# KiCad board Leonhart.kicad_pcb
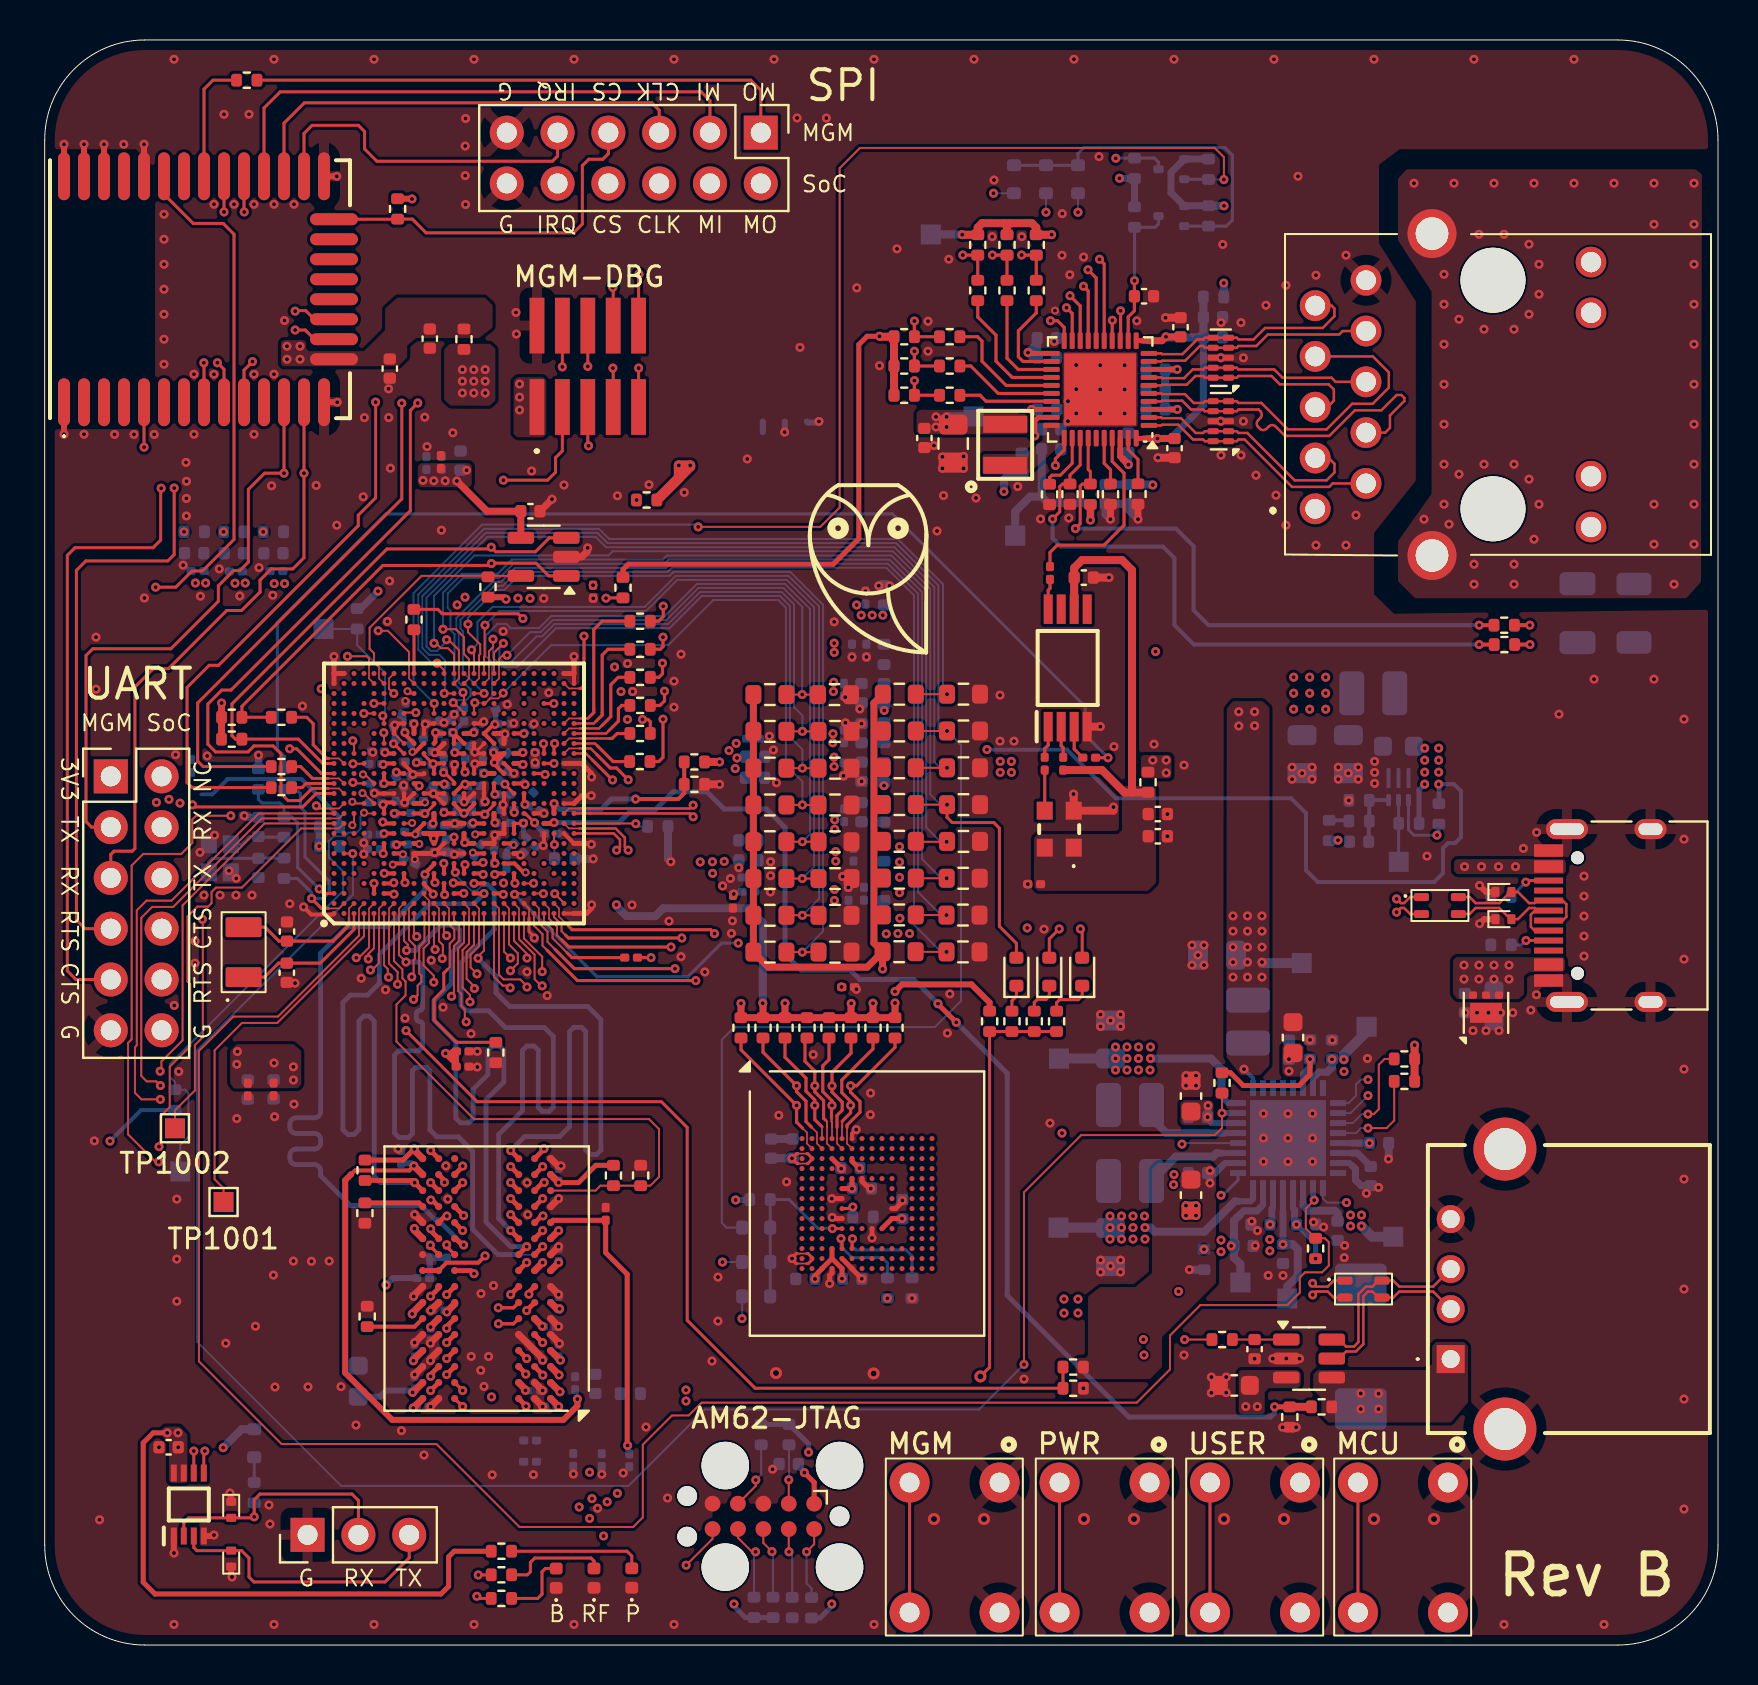
[diagram p0: board, top side]
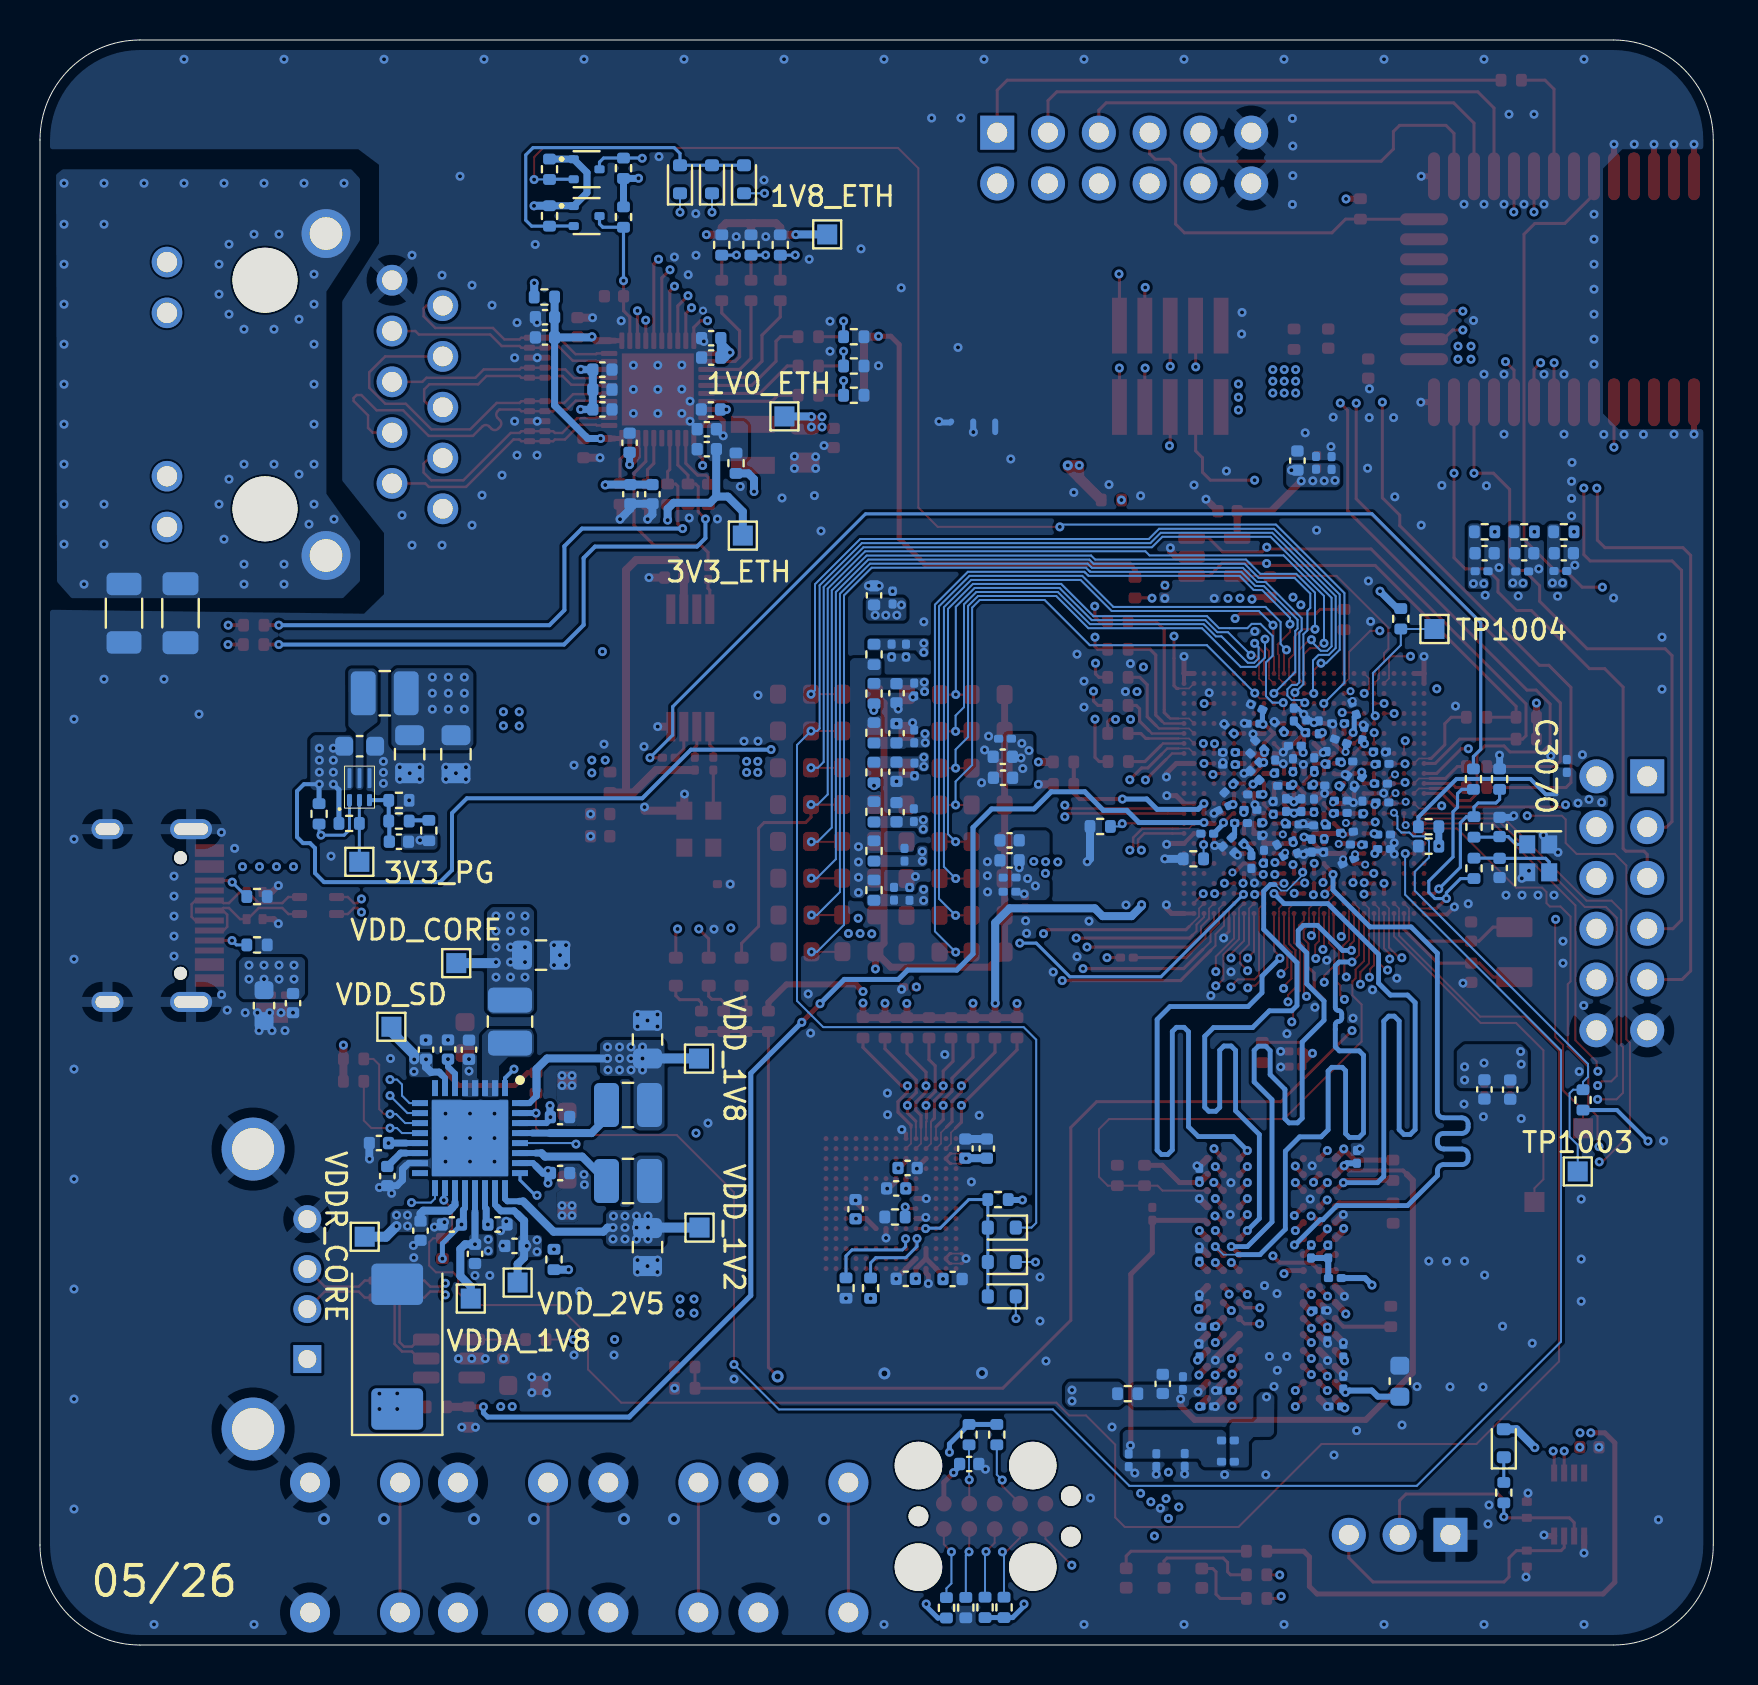
[diagram p1: board, bottom side, seen from below]

Outline 83.66 x 80.26 mm; copper layers: Top, In1.Cu (plane), In2.Cu, In3.Cu (plane), In4.Cu (plane), In5.Cu, In6.Cu (plane), Bottom. Coordinates in mm from the lower left corner of the outline.
Outline path: 0,5 0,75.26 arc(1.46,78.8) 5,80.26 78.66,80.26 arc(82.2,78.8) 83.66,75.26 83.66,5 arc(82.2,1.46) 78.66,0 5,0 arc(1.46,1.46) 0,5
Stack: Top 0.035mm / dielectric 0.0994mm FR4 er 3.8 / In1.Cu 0.0152mm / dielectric 0.13mm FR4 er 3.8 / In2.Cu 0.0152mm / dielectric 0.1088mm FR4 er 3.8 / In3.Cu 0.0152mm / dielectric 0.13mm FR4 er 3.8 / In4.Cu 0.0152mm / dielectric 0.1088mm FR4 er 3.8 / In5.Cu 0.0152mm / dielectric 0.13mm FR4 er 3.8 / In6.Cu 0.0152mm / dielectric 0.0994mm FR4 er 3.8 / Bottom 0.035mm

## Placement (name value [footprint] x y rotation side)
1V0_ETH  TestPoint  [TestPoint_Pad_1.0x1.0mm]  46.44 61.44 180 bottom
1V8_ETH  TestPoint  [TestPoint_Pad_1.0x1.0mm]  44.3 70.54 180 bottom
3V3_ETH  TestPoint  [TestPoint_Pad_1.0x1.0mm]  48.52 55.48 180 bottom
3V3_PG  TestPoint  [TestPoint_Pad_1.0x1.0mm]  67.7 39.17 0 bottom
C1001  0.01u  [C_0201_0603Metric]  49.47 38.05 180 top
C1002  1u  [C_0402_1005Metric]  55.65 40.45 0 top
C1003  0.1u  [C_0402_1005Metric]  51.95 53.38 0 top
C1004  0.1u  [C_0402_1005Metric]  55.65 41.56 0 top
C1005  18p  [C_0402_1005Metric]  10.68 38.86 270 bottom
C1006  18p  [C_0402_1005Metric]  10.68 40.91 90 bottom
C1007  20p  [C_0402_1005Metric]  12.1 33.62 270 top
C1008  20p  [C_0402_1005Metric]  12.11 35.68 90 top
C1009  0.1u  [C_0402_1005Metric]  37.2 9.05 180 bottom
C1010  0.1u  [C_0402_1005Metric]  24.28 56.7 0 top
C1011  0.1u  [C_0402_1005Metric]  6.19 9.89 180 top
C2001  1u  [C_0402_1005Metric]  19.25 65.33 270 top
C2002  0.1u  [C_0402_1005Metric]  17.25 63.83 270 top
C3001  10u  [C_0603_1608Metric]  62.41 30.38 90 top
C3002  0.1u  [C_0402_1005Metric]  62.21 29.77 90 bottom
C3003  47u  [C_0805_2012Metric]  58.61 34.5 180 bottom
C3004  10u  [C_0603_1608Metric]  57.31 27.45 90 top
C3005  0.1u  [C_0402_1005Metric]  57.66 26.4 180 bottom
C3006  47u  [C_0805_2012Metric]  53.29 30.28 90 bottom
C3007  10u  [C_0603_1608Metric]  57.31 22.5 270 top
C3008  0.1u  [C_0402_1005Metric]  57.66 23.6 180 bottom
C3009  47u  [C_0805_2012Metric]  53.29 19.9 270 bottom
C3010  2.2u  [C_0402_1005Metric]  63.26 29.78 90 bottom
C3011  2.2u  [C_0402_1005Metric]  63.07 21.03 0 bottom
C3012  4.7u  [C_0402_1005Metric]  60.79 21.03 180 bottom
C3013  2.2u  [C_0402_1005Metric]  64.36 29.78 90 bottom
C3014  2.2u  [C_0402_1005Metric]  64.64 20.72 270 bottom
C3015  2.2u  [C_0402_1005Metric]  61.91 19.56 270 bottom
C3016  2.2u  [C_0402_1005Metric]  59.94 19.96 0 bottom
C3017  2.2u  [C_0402_1005Metric]  66.72 25.1 0 bottom
C3018  2.2u  [C_0402_1005Metric]  66.3 23.45 270 bottom
C3019  10u  [C_0603_1608Metric]  67.68 44.95 180 bottom
C3020  120p  [C_0402_1005Metric]  65.72 40.17 180 bottom
C3021  22u  [C_0805_2012Metric]  62.87 44.55 270 bottom
C3022  22u  [C_0805_2012Metric]  65.18 44.55 270 bottom
C3023  1u  [0201_Cap_Leonhart#4]  17.7 43.12 305 bottom
C3024  1u  [0201_Cap_Leonhart]  18.64 45.15 20 bottom
C3025  1u  [0201_Cap_Leonhart]  24.21 44.59 0 bottom
C3026  1u  [0201_Cap_Leonhart]  21.73 45.88 45 bottom
C3027  1u  [0201_Cap_Leonhart]  22.51 39.43 90 bottom
C3028  1u  [0201_Cap_Leonhart]  17.54 45.59 100 bottom
C3029  1u  [0201_Cap_Leonhart]  18.75 46.05 0 bottom
C3030  1u  [0201_Cap_Leonhart#4]  17.59 41.89 90 bottom
C3031  1u  [0201_Cap_Leonhart]  16.46 40.58 180 bottom
C3032  10u  [C_0402_1005Metric]  35.18 40.24 0 bottom
C3033  4.7u  [C_0402_1005Metric]  35.18 39.24 0 bottom
C3034  1u  [0201_Cap_Leonhart]  35.18 38.33 0 bottom
C3035  0.1u  [0201_Cap_Leonhart]  20.92 44.93 0 bottom
C3036  0.1u  [0201_Cap_Leonhart]  20.01 41.98 90 bottom
C3037  0.1u  [0201_Cap_Leonhart]  22.03 41.87 90 bottom
C3038  0.1u  [0201_Cap_Leonhart]  21.46 42.92 0 bottom
C3039  0.1u  [0201_Cap_Leonhart]  23.68 39.83 315 bottom
C3040  0.1u  [0201_Cap_Leonhart]  19.38 44.37 90 bottom
C3041  0.1u  [0201_Cap_Leonhart#4]  18.51 43.24 125 bottom
C3042  0.1u  [0201_Cap_Leonhart]  20.02 39.97 270 bottom
C3043  0.1u  [0201_Cap_Leonhart]  22.95 44.32 45 bottom
C3044  0.1u  [0201_Cap_Leonhart#4]  17.82 39.98 0 bottom
C3045  0.1u  [0201_Cap_Leonhart]  18.62 41.66 180 bottom
C3046  0.1u  [0201_Cap_Leonhart]  22.71 44.98 45 bottom
C3047  0.1u  [0201_Cap_Leonhart]  23.04 39.16 270 bottom
C3048  0.1u  [0201_Cap_Leonhart]  34.46 37.17 270 top
C3049  0.1u  [0201_Cap_Leonhart]  35.18 37.62 0 bottom
C3051  10u  [C_0402_1005Metric]  35.51 43.37 0 bottom
C3052  4.7u  [C_0402_1005Metric]  35.52 44.42 0 bottom
C3053  0.1u  [0201_Cap_Leonhart]  20.64 42 90 bottom
C3054  0.1u  [0201_Cap_Leonhart]  21.41 42.01 90 bottom
C3055  0.1u  [0201_Cap_Leonhart]  21.03 41.09 180 bottom
C3056  0.1u  [0201_Cap_Leonhart]  21.06 44.01 90 bottom
C3057  0.1u  [0201_Cap_Leonhart]  20 44.05 90 bottom
C3058  0.1u  [0201_Cap_Leonhart]  22.96 42.48 0 bottom
C3059  0.1u  [0201_Cap_Leonhart]  18.62 42.28 180 bottom
C3060  0.1u  [0201_Cap_Leonhart#4]  18.35 44.23 180 bottom
C3061  4.7u  [C_0402_1005Metric]  41.96 52.49 90 bottom
C3062  1u  [0201_Cap_Leonhart]  41.08 52.38 90 bottom
C3063  0.1u  [0201_Cap_Leonhart#3]  21.7 39.72 60 bottom
C3064  0.1u  [0201_Cap_Leonhart]  24.21 43.98 0 bottom
C3065  0.1u  [0201_Cap_Leonhart]  16.54 42.19 180 bottom
C3066  0.1u  [0201_Cap_Leonhart]  18 46.81 70 bottom
C3067  0.1u  [0201_Cap_Leonhart#3]  22.85 46.87 25 bottom
C3068  0.1u  [0201_Cap_Leonhart]  22.99 46.03 0 bottom
C3069  0.1u  [0201_Cap_Leonhart]  24.24 45.78 45 bottom
C3070  1u  [C_0201_0603Metric]  7.32 43.96 90 bottom
C3071  0.1u  [0201_Cap_Leonhart]  20.4 45.95 90 bottom
C3072  0.1u  [0201_Cap_Leonhart]  21.02 46.53 90 bottom
C3073  4.7u  [C_0402_1005Metric]  20.79 59.23 90 bottom
C3074  1u  [0201_Cap_Leonhart#2]  19.91 59.12 90 bottom
C3075  0.1u  [0201_Cap_Leonhart#3]  18.32 40.7 175 bottom
C3076  0.1u  [0201_Cap_Leonhart]  16.61 43.12 180 bottom
C3077  0.1u  [0201_Cap_Leonhart]  19.77 45.89 90 bottom
C3078  0.1u  [0201_Cap_Leonhart]  24.46 41.81 335 bottom
C3079  0.1u  [0201_Cap_Leonhart]  27.47 52.68 270 top
C3080  0.1u  [0201_Cap_Leonhart]  19.13 59.11 90 bottom
C3081  0.1u  [0201_Cap_Leonhart]  19.75 59.16 90 top
C3082  10u  [C_0402_1005Metric]  11.44 27.79 270 bottom
C3083  4.7u  [C_0402_1005Metric]  10.15 27.78 270 bottom
C3084  1u  [0201_Cap_Leonhart]  20.9 29.73 0 top
C3085  0.1u  [0201_Cap_Leonhart]  20.86 39.91 250 bottom
C3086  0.1u  [0201_Cap_Leonhart]  19.4 39.98 270 bottom
C3087  0.1u  [0201_Cap_Leonhart]  11.49 27.79 270 top
C3088  0.1u  [0201_Cap_Leonhart]  20.89 28.98 0 top
C3089  0.1u  [0201_Cap_Leonhart]  10.2 27.78 270 top
C3090  4.7u  [C_0402_1005Metric]  40.84 45.59 90 bottom
C3091  0.1u  [0201_Cap_Leonhart]  40 45.44 90 bottom
C3092  0.01u  [0201_Cap_Leonhart]  24.17 42.83 315 bottom
C3093  1u  [0201_Cap_Leonhart]  41.01 37.57 90 bottom
C3094  0.1u  [0201_Cap_Leonhart]  40.24 37.56 90 bottom
C3095  0.01u  [0201_Cap_Leonhart]  22.55 40.8 270 bottom
C3096  4.7u  [C_0402_1005Metric]  40.84 43.67 270 bottom
C3097  0.1u  [0201_Cap_Leonhart]  39.89 43.79 270 bottom
C3098  0.01u  [0201_Cap_Leonhart]  23.14 41.81 180 bottom
C3099  4.7u  [C_0402_1005Metric]  40.84 41.65 90 bottom
C3100  0.1u  [0201_Cap_Leonhart]  40.02 41.5 90 bottom
C3101  0.01u  [0201_Cap_Leonhart]  25.3 40.53 0 bottom
C3102  1u  [0201_Cap_Leonhart]  41.03 49.73 270 bottom
C3103  0.1u  [0201_Cap_Leonhart]  40.31 49.73 270 bottom
C3104  0.01u  [0201_Cap_Leonhart]  21.95 43.94 90 bottom
C3105  4.7u  [C_0402_1005Metric]  40.84 47.6 270 bottom
C3106  0.1u  [0201_Cap_Leonhart]  39.9 47.78 270 bottom
C3107  0.01u  [0201_Cap_Leonhart]  22.96 43.46 45 bottom
C3108  1u  [C_0402_1005Metric]  7.47 54.6 180 bottom
C3109  0.1u  [0201_Cap_Leonhart]  7.64 53.76 180 bottom
C3110  0.01u  [0201_Cap_Leonhart]  19.66 40.94 0 bottom
C3111  1u  [C_0402_1005Metric]  11.43 54.6 180 bottom
C3112  0.1u  [0201_Cap_Leonhart]  11.58 53.75 180 bottom
C3113  0.01u  [0201_Cap_Leonhart]  19.75 43.03 180 bottom
C3114  4.7u  [C_0402_1005Metric]  9.45 54.6 180 bottom
C3115  0.1u  [0201_Cap_Leonhart]  9.55 53.74 180 bottom
C3116  0.01u  [0201_Cap_Leonhart]  16.46 39.86 180 bottom
C3117  1u  [0201_Cap_Leonhart]  40.49 39.52 90 bottom
C3118  0.1u  [0201_Cap_Leonhart]  24.27 40.12 315 bottom
C3119  0.01u  [0201_Cap_Leonhart]  23.61 41.16 180 bottom
C3120  0.1u  [0201_Cap_Leonhart#3]  18.22 39.15 335 bottom
C3121  0.1u  [0201_Cap_Leonhart]  40.17 32.95 0 top
C3122  0.1u  [0201_Cap_Leonhart]  16.53 44.12 180 bottom
C3123  0.1u  [0201_Cap_Leonhart]  16.66 44.73 180 bottom
C3124  1u  [0201_Cap_Leonhart]  35.41 45.27 0 bottom
C4001  2.2u  [C_0402_1005Metric]  27.53 13.06 90 bottom
C4002  0.1u  [0201_Cap_Leonhart]  26.57 13.1 90 bottom
C4003  0.1u  [0201_Cap_Leonhart]  17.87 24.41 90 bottom
C4004  0.01u  [0201_Cap_Leonhart]  18.92 18.3 0 bottom
C4005  22u  [C_0603_1608Metric]  15.67 13.2 90 bottom
C4006  0.01u  [0201_Cap_Leonhart]  25.75 23.52 90 bottom
C4007  0.01u  [0201_Cap_Leonhart]  25.75 19.51 90 bottom
C4008  0.01u  [0201_Cap_Leonhart]  25.75 17.12 90 bottom
C4009  0.01u  [0201_Cap_Leonhart]  25.26 15.87 0 bottom
C4010  0.01u  [0201_Cap_Leonhart]  25.74 14.73 90 bottom
C4011  0.01u  [0201_Cap_Leonhart]  24.48 12.67 0 bottom
C4012  0.01u  [0201_Cap_Leonhart]  25.3 11.98 180 bottom
C4013  0.01u  [0201_Cap_Leonhart]  18.9 11.88 0 bottom
C4014  0.01u  [0201_Cap_Leonhart]  18.55 13.12 90 bottom
C4015  0.01u  [0201_Cap_Leonhart]  18.55 14.72 90 bottom
C4016  0.01u  [0201_Cap_Leonhart]  19.25 15.53 270 bottom
C4017  0.01u  [0201_Cap_Leonhart]  19.7 16.78 180 bottom
C4018  0.1u  [0201_Cap_Leonhart]  24.27 10.28 180 bottom
C4019  0.1u  [0201_Cap_Leonhart]  28 21.56 90 top
C4020  0.1u  [0201_Cap_Leonhart]  29.18 9.24 270 bottom
C4021  0.1u  [0201_Cap_Leonhart]  27.8 9.25 270 bottom
C5001  0.1u  [C_0402_1005Metric]  56.79 65.9 90 top
C5002  0.1u  [C_0402_1005Metric]  56.49 59.86 270 top
C5003  4.7u  [C_0402_1005Metric]  58.41 66.4 0 bottom
C5004  0.1u  [C_0402_1005Metric]  58.41 65.39 0 bottom
C5005  1u  [C_0402_1005Metric]  50.1 65.35 0 bottom
C5006  1u  [C_0402_1005Metric]  55.54 62.78 180 bottom
C5007  0.1u  [C_0402_1005Metric]  54.18 60.12 90 bottom
C5008  0.1u  [C_0402_1005Metric]  50.1 64.38 0 bottom
C5009  0.1u  [C_0402_1005Metric]  55.54 61.79 180 bottom
C5010  0.1u  [C_0402_1005Metric]  55.54 63.78 180 bottom
C5013  0.1u  [C_0402_1005Metric]  54.14 57.55 270 bottom
C5014  4.7u  [C_0402_1005Metric]  53.04 57.55 270 bottom
C5015  0.1u  [C_0402_1005Metric]  50.12 61.79 0 bottom
C5016  4.7u  [C_0402_1005Metric]  50.32 59.8 0 bottom
C5017  0.1u  [C_0402_1005Metric]  50.32 60.8 0 bottom
C5018  4.7u  [C_0805_2012Metric]  45.42 60.08 270 top
C5019  0.1u  [C_0402_1005Metric]  43.98 60.36 270 top
C5020  0.1u  [C_0402_1005Metric]  54.96 67.45 0 top
C5021  1n  [C_1206_3216Metric]  76.64 51.6 270 bottom
C6001  4.7u  [C_0402_1005Metric]  40.85 22.84 0 bottom
C6002  0.22u  [C_0402_1005Metric]  42.88 21.8 90 bottom
C6003  0.1u  [C_0402_1005Metric]  40.37 18.31 0 bottom
C6004  1u  [C_0402_1005Metric]  40.28 23.86 180 bottom
C6005  4.7u  [C_0402_1005Metric]  38.03 18.31 180 bottom
C6006  10u  [C_0603_1608Metric]  72.46 31.98 270 bottom
C6007  0.1u  [C_0402_1005Metric]  71.01 32.1 270 bottom
C6008  0.1u  [C_0402_1005Metric]  37.39 24.83 90 bottom
C6009  2.2u  [C_0402_1005Metric]  36.32 24.83 90 bottom
C6010  10u  [C_0603_1608Metric]  59.48 12.98 180 top
C6011  0.1u  [C_0402_1005Metric]  60.49 14.8 270 top
C6012  150u  [CP_EIA-7343-31_Kemet-D]  65.8 14.92 90 bottom
D1001  D  [D_SOD-523]  48.58 33.67 90 top
D1002  D  [D_SOD-523]  50.23 33.67 90 top
D1003  D  [D_SOD-523]  51.87 33.67 90 top
D1004  D  [D_SOD-523]  10.47 10.09 90 bottom
D1005  D_TVS  [TPD1E1B04DPYR]  9.32 4.32 90 top
D1006  D_TVS  [TPD1E1B04DPYR]  9.32 6.76 270 top
D5001  D  [D_SOD-523]  51.66 73.3 90 bottom
D5002  D  [D_SOD-523]  48.46 73.3 90 bottom
D5003  D  [D_SOD-523]  50.06 73.3 90 bottom
D6001  D_TVS  [TPD1E1B04DPYR]  72.93 37.66 0 top
D6002  D_TVS  [TPD1E1B04DPYR]  72.93 36.3 0 top
D6003  D  [D_SOD-523]  35.57 20.88 0 bottom
D6004  D  [D_SOD-523]  35.57 19.16 0 bottom
D6005  D  [D_SOD-523]  35.57 17.44 0 bottom
D7001  Red  [LED_0402_1005Metric]  29.35 3.35 90 top
D7002  Green  [LED_0402_1005Metric]  27.46 3.34 90 top
D7003  Blue  [LED_0402_1005Metric]  25.57 3.34 90 top
FB1001  120R  [R_0402_1005Metric]  55.16 43.15 270 top
FB2001  120R  [R_0402_1005Metric]  20.96 65.3 90 top
FB3001  120R  [R_0402_1005Metric]  41.96 45.62 270 bottom
FB3002  120R  [R_0402_1005Metric]  41.96 37.75 270 bottom
FB3003  120R  [R_0402_1005Metric]  41.96 43.64 90 bottom
FB3004  120R  [R_0402_1005Metric]  41.96 41.67 270 bottom
FB3005  120R  [R_0402_1005Metric]  41.96 49.54 90 bottom
FB3006  120R  [R_0402_1005Metric]  41.96 47.58 90 bottom
FB3007  120R  [R_0402_1005Metric]  7.47 55.67 0 bottom
FB3008  120R  [R_0402_1005Metric]  11.43 55.67 0 bottom
FB3009  120R  [R_0402_1005Metric]  9.45 55.67 0 bottom
FB3010  120R  [R_0402_1005Metric]  41.96 39.71 270 bottom
FB3011  120R  [R_0402_1005Metric]  30.09 57.26 180 top
FB4001  120R  [R_0402_1005Metric]  29.28 12.57 180 bottom
FB5001  120R  [R_0402_1005Metric]  58.44 67.41 0 bottom
FB5003  120R  [R_0402_1005Metric]  48.86 59.1 90 bottom
J1002  TC2050  [Tag-Connect_TC2050-IDC-FP_2x05_P1.27mm_Vertical]  35.93 6.43 180 top
J1003  Conn_01x03_Pin  [PinHeader_1x03_P2.54mm_Vertical]  13.14 5.51 90 top
J2001  Conn_02x06_Odd_Even  [PinHeader_2x06_P2.54mm_Vertical]  3.3 43.44 0 top
J2004  Conn_02x06_Odd_Even  [PinHeader_2x06_P2.54mm_Vertical]  35.8 75.63 270 top
J6001  USB_C_Receptacle_USB2.0_16P  [USB_C_Receptacle_HRO_TYPE-C-31-M-12]  79.24 36.48 90 top
J6002  USB_A  [902131A1011D10100]  70.3 14.3 90 top
L3001  0.47u  [L_1008_2520Metric]  60.16 31.18 90 bottom
L3002  0.47u  [L_1008_2520Metric]  54.26 27.01 180 bottom
L3003  0.47u  [L_1008_2520Metric]  54.26 23.21 180 bottom
L3004  0.47u  [L_1008_2520Metric]  66.43 47.59 180 bottom
L5001  2.2u  [DFE2HCAH1R0MJ0L]  48.02 60.02 90 top
L6001  SRF2012_900YA  [SRF2012-900YA]  69.78 37.06 0 top
L6002  SRF2012_900YA  [SRF2012-900YA]  65.96 17.88 0 top
Q5001  DMG1012T  [SOT-523]  56.33 71.46 180 bottom
Q5002  DMG1012T  [SOT-523]  56.33 73.8 180 bottom
R1001  10k  [R_0402_1005Metric]  47.24 31.19 270 top
R1002  R  [R_0603_1608Metric]  36.26 47.53 0 top  (not fitted)
R1003  R  [R_0603_1608Metric]  36.26 45.69 0 top  (not fitted)
R1004  10k  [R_0603_1608Metric]  36.26 43.85 0 top
R1005  R  [R_0603_1608Metric]  36.26 42.01 0 top  (not fitted)
R1006  10k  [R_0603_1608Metric]  36.26 40.17 0 top
R1007  10k  [R_0603_1608Metric]  36.26 38.33 0 top
R1008  10k  [R_0603_1608Metric]  36.26 36.49 0 top
R1009  R  [R_0603_1608Metric]  36.26 34.65 0 top  (not fitted)
R1010  R  [R_0603_1608Metric]  42.72 34.67 0 top  (not fitted)
R1011  10k  [R_0603_1608Metric]  42.73 36.51 0 top
R1012  R  [R_0603_1608Metric]  42.73 38.35 0 top  (not fitted)
R1013  R  [R_0603_1608Metric]  42.73 40.19 0 top  (not fitted)
R1014  10k  [R_0603_1608Metric]  42.73 42.03 0 top
R1015  R  [R_0603_1608Metric]  42.73 43.87 0 top  (not fitted)
R1016  10k  [R_0603_1608Metric]  42.73 45.71 0 top
R1017  10k  [R_0603_1608Metric]  42.73 47.55 0 top
R1018  10k  [R_0402_1005Metric]  6.51 27.26 90 bottom
R1019  10k  [R_0402_1005Metric]  15.62 51.32 270 bottom
R1020  10k  [R_0201_0603Metric]  50.92 44.07 90 top
R1021  22R  [R_0201_0603Metric]  52.22 44.37 0 top
R1022  22R  [R_0201_0603Metric]  50 44.07 90 top
R1023  22R  [R_0201_0603Metric]  50.26 53.61 90 top
R1024  1k  [R_0402_1005Metric]  48.36 31.19 90 top
R1025  1k  [R_0402_1005Metric]  49.48 31.19 90 top
R1026  1k  [R_0402_1005Metric]  50.59 31.19 90 top
R1027  10k  [R_0603_1608Metric]  39.49 47.53 0 top
R1028  10k  [R_0603_1608Metric]  39.51 45.69 0 top
R1029  R  [R_0603_1608Metric]  39.51 43.85 0 top  (not fitted)
R1030  10k  [R_0603_1608Metric]  39.51 42.01 0 top
R1031  R  [R_0603_1608Metric]  39.51 40.17 0 top  (not fitted)
R1032  R  [R_0603_1608Metric]  39.51 38.33 0 top  (not fitted)
R1033  R  [R_0603_1608Metric]  39.51 36.49 0 top  (not fitted)
R1034  10k  [R_0603_1608Metric]  39.51 34.65 0 top
R1035  10k  [R_0603_1608Metric]  45.91 34.66 0 top
R1036  R  [R_0603_1608Metric]  45.91 36.5 0 top  (not fitted)
R1037  10k  [R_0603_1608Metric]  45.92 38.34 0 top
R1038  10k  [R_0603_1608Metric]  45.94 40.19 0 top
R1039  R  [R_0603_1608Metric]  45.94 42.03 0 top  (not fitted)
R1040  10k  [R_0603_1608Metric]  45.94 43.87 0 top
R1041  R  [R_0603_1608Metric]  45.94 45.71 0 top  (not fitted)
R1042  R  [R_0603_1608Metric]  45.94 47.55 0 top  (not fitted)
R1043  2.2k  [R_0402_1005Metric]  9.35 46.4 0 top
R1044  2.2k  [R_0402_1005Metric]  9.35 45.3 0 top
R1045  0R  [R_0402_1005Metric]  11.99 43.3 90 bottom
R1046  22R  [R_0402_1005Metric]  11.84 46.4 180 top
R1047  R  [R_0402_1005Metric]  11.96 38.84 90 bottom  (not fitted)
R1048  470R  [R_0402_1005Metric]  18.46 51.28 270 top
R1049  22R  [R_0402_1005Metric]  11.83 42.88 180 top
R1051  22R  [R_0402_1005Metric]  11.83 43.93 180 top
R1052  R  [R_0402_1005Metric]  11.96 40.91 270 bottom  (not fitted)
R1053  0R  [R_0402_1005Metric]  10.68 43.3 270 bottom
R1054  10k  [R_0402_1005Metric]  35.82 10.52 270 bottom
R1055  10k  [R_0402_1005Metric]  37.21 10.52 270 bottom
R1056  10k  [R_0402_1005Metric]  38.34 1.86 90 bottom
R1057  10k  [R_0402_1005Metric]  36.41 1.88 90 bottom
R1058  10k  [R_0402_1005Metric]  35.46 1.88 90 bottom
R1059  10k  [R_0402_1005Metric]  10.47 7.62 270 bottom
R1060  10k  [R_0402_1005Metric]  22.16 52.91 90 top
R1061  10k  [R_0402_1005Metric]  37.37 1.87 270 bottom
R2001  22R  [R_0402_1005Metric]  10.1 78.26 0 top
R2002  10k  [R_0402_1005Metric]  17.64 71.82 270 top
R3001  100k  [R_0402_1005Metric]  51.42 13.9 180 top
R3002  11k  [R_0402_1005Metric]  51.42 12.84 0 top
R3003  10k  [R_0402_1005Metric]  63.54 19.83 90 top
R3004  10k  [R_0402_1005Metric]  67.98 29.31 180 top
R3005  10k  [R_0402_1005Metric]  58.86 28.11 270 top
R3006  10k  [R_0402_1005Metric]  67.98 28.19 180 top
R3007  10k  [R_0402_1005Metric]  57.96 19.28 90 bottom
R3008  R  [R_0402_1005Metric]  14.23 40.92 180 bottom  (not fitted)
R3009  10k  [R_0402_1005Metric]  14.23 39.95 0 bottom
R3010  10k  [R_0402_1005Metric]  68.21 41.09 180 bottom
R3011  10k  [R_0402_1005Metric]  69.71 41.56 270 bottom
R3012  270k  [R_0402_1005Metric]  65.72 41.2 180 bottom
R3013  180k  [R_0402_1005Metric]  64.22 40.73 270 bottom
R3014  100k  [R_0402_1005Metric]  65.72 42.24 180 bottom
R4001  33R  [R_0201_0603Metric]  20.11 19.68 90 bottom
R4002  33R  [R_0201_0603Metric]  19.25 19.68 90 bottom
R4003  R  [R_0402_1005Metric]  28.44 23.48 270 top  (not fitted)
R4004  2.2k  [R_0402_1005Metric]  29.8 23.48 90 top
R4005  10k  [R_0402_1005Metric]  16.02 23.74 90 top
R4006  240R  [R_0402_1005Metric]  16.12 16.43 90 top
R4007  240R  [R_0402_1005Metric]  22.55 29.63 90 top
R4008  1k  [R_0402_1005Metric]  16.01 21.6 270 top
R4009  1k  [R_0201_0603Metric]  24.27 9.17 180 bottom
R4010  1k  [R_0201_0603Metric]  26.43 9.26 270 bottom
R5001  R  [R_0402_1005Metric]  49.58 70.02 270 top  (not fitted)
R5002  R  [R_0402_1005Metric]  46.65 70.02 270 top  (not fitted)
R5003  4.7k  [R_0402_1005Metric]  42.97 65.43 0 top
R5004  1.5k  [R_0402_1005Metric]  28.91 52.88 270 top
R5005  4.7k  [R_0402_1005Metric]  48.11 70.02 90 bottom